# Altium PCB RHR075_GFC_ECAT_DNET_RS485_ALL_rev5.PcbDoc (part 4 of 4) (continued)
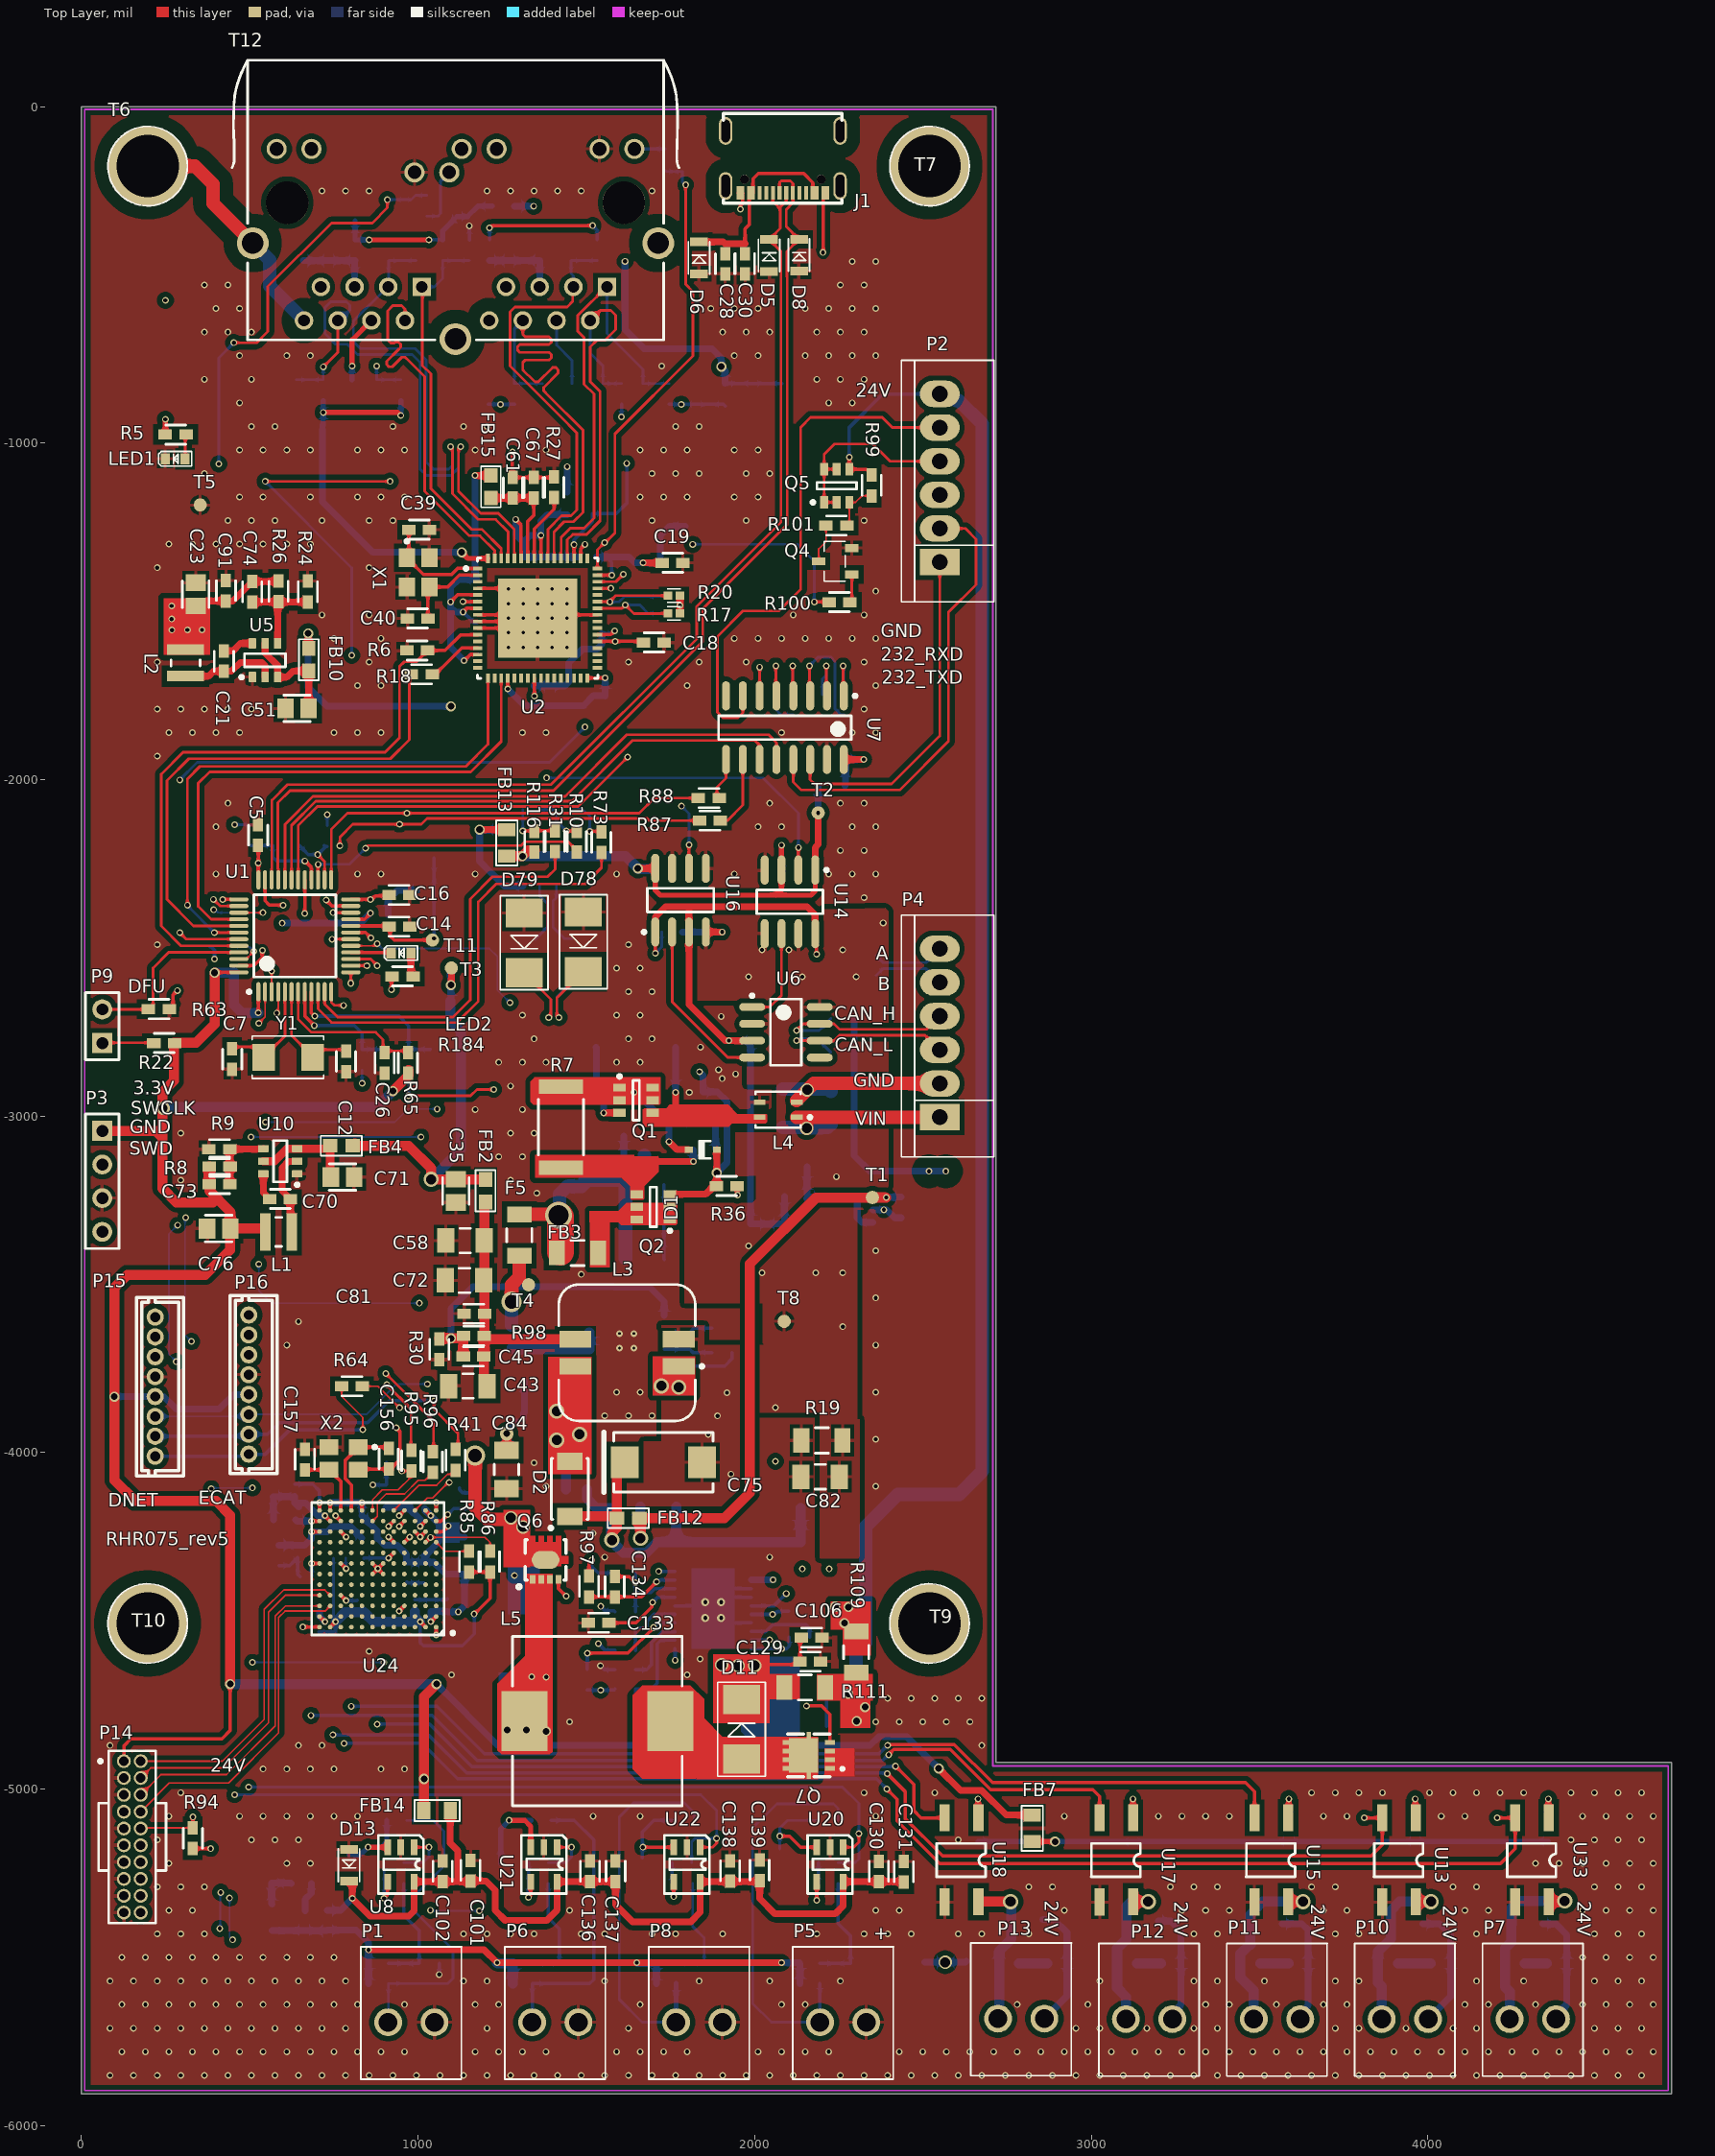
[diagram p0: Top Layer view]
## Nets (pads, with @x,y where several pads share a name; then routed paths per layer and width w, separated by ;. In a path a pad name is that pad's centre, name@x,y a point inside that pad or via, vN(x,y) a via of type N, cw(c..) or ccw(c..) an arc to the next point about the centre after c; other vN are vias at no path point) (continued)
  Top Layer w10: U2.50@1483.43,-1342.91 1483.43,-1313.57 v1(1496,-1301)
  Mid-Layer 1 w8: v1(292,-2455) v1(292,-2001) ; v1(1496,-1844) 1496,-1543 v1(1496,-1301)
  Bottom Layer w8: v1(292,-2001) 344,-1949 1391,-1949 v1(1496,-1844)
SPI_MISO: R18.1 U1.41 | length 1564.2
  Top Layer w8: U1.41@467.66,-2434.98 333,-2434.98 254,-2355.98 254,-2003 319,-1938 918,-1938 974.48,-1881.52 R18.1@974.48,-1687.47
SPI_MOSI: U1.42 U2.17 | length 1695.2
  Top Layer w8: v1(315,-2373) 315,-1998 352,-1961 1142,-1961 1207.84,-1895.16 U2.17@1207.84,-1698.03 ; v1(394.67,-2454.67) U1.42@467.66,-2454.67
  Bottom Layer w8: v1(315,-2373) 315,-2375 v1(394.67,-2454.67)
SPI_SCK: U1.40 U2.19 | length 1656.9
  Top Layer w8: 347,-2362 347,-2348 ; U1.40@467.66,-2415.3 385.3,-2415.3 347,-2377 347,-2348 ; U2.19@1247.21,-1698.03 1247.21,-1886.79 1157,-1977 381,-1977 347,-2011 347,-2348
SWCLK: P3.2 U1.38 | length 1148
  Top Layer w8: v1(392,-2356) 411.93,-2375.93 U1.38@467.66,-2375.93
  Mid-Layer 1 w8: P3.2@62,-3144 300,-3144 348,-3096 348,-2400 v1(392,-2356)
SWD: P3.4 U1.37 | length 1374.4
  Top Layer w8: v1(419.24,-2356.24) U1.37@467.66,-2356.24
  Mid-Layer 1 w8: P3.4@62,-3344 367.24,-3344 433,-3278.24 433,-2419 419.24,-2405.24 v1(419.24,-2356.24)
T_ADC_1: R1.2 R192.1 U8.1 | length 2801.2
  Top Layer w8: U8.1@988.37,-5172.82 v1(1032.82,-5172.82)
  Mid-Layer 1 w8: v1(834,-2903) 834,-3541 834,-3613 587,-3860 587,-3861 587,-4580 701,-4694 701,-4696 787,-4696 834,-4743 834,-4974 v1(1032.82,-5172.82)
  Bottom Layer w8: v1(834,-2903) R1.2@834,-2863.5 ; R192.1@958.22,-5218.33 1015.67,-5218.33 1032.82,-5201.18 v1(1032.82,-5172.82)
T_ADC_2: R2.2 R49.1 U21.1 | length 2995.2
  Top Layer w8: v1(972,-2940) 1156,-2940 1175,-2921 v1(1225,-2921) ; U21.1@1413.37,-5172.82 v1(1455.82,-5172.82)
  Mid-Layer 1 w8: v1(1225,-2921) 1225,-3009 1164,-3070 1164,-3831 1215,-3882 1215,-5124.5 1263.32,-5172.82 v1(1455.82,-5172.82)
  Bottom Layer w8: v1(972,-2940) R2.2@972,-2863.5 ; R49.1@1387.2,-5218.33 1439.67,-5218.33 1455.82,-5202.18 v1(1455.82,-5172.82)
T_ADC_3: R3.2 R51.1 U22.1 | length 4733.3
  Top Layer w8: U22.1@1838.37,-5172.82 1875.36,-5172.82 1887.18,-5161 v1(1887.18,-5146.82)
  Mid-Layer 1 w8: v1(455.02,-5017) 455.02,-4857.02 405,-4807 405,-3372 477,-3300 477,-2222.98 455.02,-2201 v1(455.02,-2134.02)
  Bottom Layer w8: v1(455.02,-5017) 1840,-5017 1887.18,-5064.18 v1(1887.18,-5146.82) 1886.72,-5146.36 1823,-5146.36 1813.22,-5156.14 R51.1@1813.22,-5218.33 ; v1(455.02,-2134.02) R3.2@503,-2134.02
T_ADC_4: R4.2 R34.1 U20.1 | length 5277.8
  Top Layer w8: U20.1@2263.37,-5172.82 2294.18,-5172.82 2309.56,-5157.44 v1(2309.56,-5132.44)
  Mid-Layer 1 w8: v1(497,-4994) 468.02,-4965.02 468.02,-4618.02 421,-4571 421,-3540 469,-3492 562,-3492 628,-3426 628,-2206 v1(730,-2104)
  Bottom Layer w8: v1@497.23,-4993.77 2260.77,-4993.77 2309.56,-5042.56 v1(2309.56,-5132.44) 2309.56,-5207.44 2298.67,-5218.33 R34.1@2248.22,-5218.33 ; R4.2@730,-2137.02 v1(730,-2104)
UART_APP_RXD: R93.1 R95.1 U24.M7 | length 247.7
  Top Layer w5: U24.M7@864.99,-4172.03 864.99,-4140.01 894,-4111 941,-4111 979,-4073 979,-4057 977.03,-4055.03 v1(952.03,-4055.03)
  Bottom Layer w5: R93.1@942.03,-4029 942.03,-4045.03 v1(952.03,-4055.03)
UART_APP_TXD: R96.1 U24.L7 | length 265.4
  Top Layer w5: U24.L7@864.99,-4203.53 879.38,-4189.14 879.38,-4148.62 905,-4123 960,-4123 1001,-4082 1021,-4082 R96.1@1046,-4057
UART_RXD: R90.1 U24.G10 | length 54
  Top Layer w10: U24.G10@770.5,-4329.51 v4(786.25,-4345.26)
  Bottom Layer w8: R90.1@785.03,-4314 785.03,-4344.04 v4(786.25,-4345.26)
UART_RXD1: U1.32 U7.12 | length 1795.6
  Top Layer w8: U1.32@604.47,-2298.17 604.47,-2133.53 688,-2050 1437,-2050 1620,-1867 2042,-1867 2065,-1890 U7.12@2065,-1940.49
UART_RXD2: R88.2 R96.2 U1.25 | length 3268
  Top Layer w8: U1.25@742.27,-2298.17 742.27,-2148 790.27,-2100 v1(967,-2100) 1657,-2100 1702,-2055 R88.2@1828.94,-2055 ; v1(904,-3765) 1046,-3907 R96.2@1046,-3997.94
  Mid-Layer 1 w8: v1(904,-3765) 891,-3752 891,-2737 967,-2661 v1@967,-2101
UART_TXD: U24.G11
UART_TXD1: U1.31 U7.11 | length 1705.6
  Top Layer w8: U1.31@624.16,-2298.17 624.16,-2136.23 696.38,-2064 1457,-2064 1637,-1884 1746,-1884 2001,-1884 2015,-1898 U7.11@2015,-1940.49
UART_TXD2: R87.2 R95.2 U1.22 | length 3309.9
  Top Layer w8: v1(747.39,-2395.61) U1.22@800.34,-2395.61 ; v1(768,-2197) 768,-2171 806,-2133 v1(945,-2133) 1010,-2133 1027,-2116 1681,-2116 1687,-2122 R87.2@1831.94,-2122 ; v1(907.58,-3798.58) 979,-3870 R95.2@979,-3997.94
  Mid-Layer 1 w8: v1(747.39,-2395.61) 768,-2375 v1(768,-2197) ; v1(907.58,-3798.58) 878,-3769 878,-2721 945,-2654 v1(945,-2133)
USB_N: D8.2 J1.A7 J1.B7 U1.33 | length 3269.2
  Top Layer w8: U1.33@584.79,-2298.17 584.79,-2265.51 583.94,-2264.67 583.94,-2069.06 620,-2033 1402.46,-2033 1846,-1589.46 1846,-1493 2096.57,-1242.43 2096.57,-505.67 2096.43,-505.52 2096.43,-430.09 D8.2@2132,-394.51 2094,-356.51 2094,-306 2113.53,-286.47 J1.B7@2113.53,-257 2113.53,-228.53 2106,-221 2079,-221 2074.16,-225.84 J1.A7@2074.16,-257
USB_P: D5.2 J1.A6 J1.B6 U1.34 | length 3218.1
  Top Layer w8: U1.34@565.1,-2298.17 565.1,-2265.51 565.94,-2264.67 565.94,-2061.6 612.54,-2015 1395,-2015 1828,-1582 1828,-1485.54 2078.57,-1234.97 2078.57,-431.09 D5.2@2043,-395.51 2076,-362.51 2076,-304 ; J1.B6@2054.47,-257 2054.47,-282.47 2076,-304 ; J1.A6@2093.84,-257 2093.84,-280.7 2076,-298.54 2076,-304
V_POWER: F5.2 FB11.1 T4.1 | length 211.1
  Top Layer w40: v9(1278,-3552) 1278,-3502 1301,-3479 F5.2@1301,-3419.95
  Bottom Layer w40: FB11.1@1278,-3621.51 v9(1278,-3552)
V_Power_F: C27.1 C60.1 C62.1 C80.1 C83.1 C84.1 C85.1 D9.2 F5.1 FB3.2 Q6.5 R25.1 R28.2 R33.1 R109.2 U9.1 | length 4810.8
  Top Layer w20: C84.1@1264,-3987.05 v10(1264,-3944)
  Top Layer w40: v9(1170,-4009) 1170,-4161 1207,-4198 v6@1276,-4198 ; F5.1@1301,-3292 1416,-3292 v11(1418.05,-3294.05)
  Top Layer w80: v11(1418.05,-3294.05) 1423,-3299 FB3.2@1423,-3405
  Mid-Layer 1 w10: 1256,-4208 1256,-4668 1293.98,-4705.98 v1(1542.3,-4705.98) 1631.17,-4617.12 v1(1763.88,-4617.12)
  Mid-Layer 1 w80: v11(1418.05,-3294.05) 1418.05,-3614.95 1264,-3769 v10(1264,-3944) 1264,-4182 v6(1276,-4194) 1303,-4221 v6(1312,-4221) 1461.73,-4221 1497.73,-4185 2242.14,-4185 2289,-4231.86 2289,-4457 2278.5,-4467.5 2278.5,-4459.5 v2(2279,-4459)
  Bottom Layer w10: R25.1@1503,-4705.98 v1(1542.3,-4705.98) 1581.6,-4705.98 R33.1@1585.02,-4702.57 ; v1(1763.88,-4617.12) U9.1@1763.88,-4583.16
  Bottom Layer w20: C83.1@1264,-3987.05 v10(1264,-3944) 1264,-3932.95 1288.52,-3908.43 1304.27,-3908.43 1313.95,-3898.75 1313.95,-3883 1315.98,-3880.97 C85.1@1315.98,-3788
  Bottom Layer w40: v11(1418.05,-3294.05) 1420,-3292.09 1420,-3232.5 1443.43,-3209.06 1485.49,-3209.06 1496,-3198.55 D9.2@1496,-3190.54 1610.82,-3190.54 C27.1@1616.41,-3196.13 ; C62.1@1616.41,-3423.51 C60.1@1616.41,-3311.51 C27.1@1616.41,-3203.51 C27.1@1616.41,-3196.13 ; R28.2@1672.98,-3116.51 1672.98,-3146.94 1632.83,-3187.09 1622,-3187.09 1616.41,-3192.69 C27.1@1616.41,-3196.13
  other v2: 2267,-4507 2240,-4458
VCC_VREF: C14.2 C38.2 T11.1 U1.20 U4.6 | length 516.8
  Top Layer w10: U1.20@800.34,-2434.98 916.42,-2434.98 916.94,-2435.51 916.94,-2464.94 929,-2477 T11.1@1043,-2477
  Bottom Layer w10: v1(1047.57,-2472.43) U4.6@1047.57,-2330.11 1047.74,-2329.94 C38.2@1047.74,-2233
VDD12TX: C1.1 C4.1 C6.1 C34.1 FB1.2 U2.56 U2.59 | length 664
  Top Layer w10: v1(1290,-1227) 1306.27,-1243.27 U2.59@1306.27,-1342.91 ; U2.56@1365.32,-1342.91 v1(1365.32,-1274.32)
  Bottom Layer w20: v1(1290,-1227) 1290,-1272 1313.1,-1295.1 C6.1@1313.1,-1338.57 C34.1@1367.35,-1338.57 C4.1@1421.6,-1338.57 C1.1@1475.85,-1338.57 ; 1313.1,-1294.9 1333.68,-1274.32 v1(1365.32,-1274.32) 1365.32,-1231.68 1384.07,-1212.93 FB1.2@1443,-1212.93
VDD33BIAS: C61.2 C67.1 FB15.2 U2.58 | length 313.7
  Top Layer w10: U2.58@1325.95,-1342.91 1325.95,-1233.05 1343.48,-1215.52 C67.1@1343.48,-1163.47
  Top Layer w20: FB15.2@1216.48,-1163.41 1343.42,-1163.41 C67.1@1343.48,-1163.47
VDD33TXRX1: C108.1 C109.1 C110.1 FB16.2 R67.2 R68.2 R69.2 R70.2 R71.1 U2.51 | length 2545.2
  Top Layer w10: v1@1219,-354 v1(1519,-354) ; U2.51@1463.75,-1342.91 v1(1463.75,-1302.25)
  Mid-Layer 1 w10: v1(1212.46,-360.54) 1115,-458 1115,-555 1026,-644 1026,-810 1100.98,-884.98 v1(1245,-884.98) 1282.02,-922 v1(1604.46,-922) ; v1(1620,-1060) 1620,-992 1604.46,-976.46 v1(1604.46,-922) ; v1(1782,-884.98) 1744.98,-922 v1(1604.46,-922)
  Bottom Layer w10: C110.1@1208.46,-884.98 v1(1245,-884.98) R67.2@1286.46,-884.98 ; R71.1@1212.46,-396.02 v1(1212.46,-360.54) ; v1(1463.75,-1302.25) 1463.75,-1287.25 1518,-1233 C108.1@1518,-1209.98 1589.02,-1209.98 1620,-1179 v1(1620,-1060) ; v1(1519,-354) 1532.46,-367.46 R68.2@1532.46,-396.02 ; v1(1604.46,-922) R69.2@1604.46,-884.98 ; R70.2@1745.46,-884.98 v1(1782,-884.98) C109.1@1826.46,-884.98 1907.48,-884.98 FB16.2@1912.46,-889.96
VDD33TXRX2: C121.1 C122.1 C123.1 FB17.2 R76.2 R77.2 R78.2 R79.2 R80.1 U2.64 | length 2561.3
  Top Layer w15: v1(718.46,-909) 940,-909 v1(949,-918) ; v1(854.98,-396.02) v1(1032,-396.02) ; v2(1130,-1325) 1147.91,-1342.91 U2.64@1207.84,-1342.91
  Mid-Layer 1 w15: v1(718.46,-909) 606,-909 563,-866 563,-526 692.98,-396.02 v1(854.98,-396.02)
  Bottom Layer w8: R77.2@994.46,-396.02 v1(1032,-396.02) R79.2@1073.46,-396.02
  Bottom Layer w15: 715.98,-960 C123.1@715.98,-943 ; R76.2@718.46,-873.98 v1(718.46,-909) 718.46,-946.44 C123.1@719.02,-947 ; C122.1@812.98,-340 812.98,-395.54 R80.1@813.46,-396.02 v1(854.98,-396.02) ; v1(949,-918) R78.2@949,-873.98 ; R79.2@1073.46,-396.02 1073.46,-369.53 C121.1@1116,-326.98 1147.02,-326.98 1178,-296 FB17.2@1220.07,-296
  Bottom Layer w20: 715.98,-960 715.98,-1174.98 866,-1325 v2(1130,-1325)
VIN: C31.1 C59.1 L4.1 P4.1 | length 604.6
  Top Layer w40: L4.1@2125.12,-3003.64 2155,-3003.64 ; v6(2155,-3036) 2155,-3003.64 ; P4.1@2551,-3003.64 2155,-3003.64
  Bottom Layer w40: C31.1@2084,-3034.09 2217.46,-3034.09 C59.1@2226.55,-3025
VIN_RTN: C24.1 C31.2 L4.2 P2.3 P4.2 | length 2519
  Top Layer w40: L4.2@2125.12,-2953.64 2175.76,-2903 2372,-2903 2396,-2903 P4.2@2550,-2903
  Mid-Layer 1 w40: P4.2@2550,-2903 2620,-2903 2661,-2862 2661,-1187 2628,-1154 P2.3@2550,-1154
  Bottom Layer w40: C31.2@2084,-2919.91 2219.46,-2919.91 C24.1@2226.55,-2927
  other v6: 2156.39,-2922.36
VUSB: C28.2 C30.2 D6.2 J1.A4 J1.A9 J1.B4 J1.B9 | length 555.5
  Top Layer w10: 1971.46,-407.94 1971.46,-363.54 1983.61,-351.39 J1.B4@1983.61,-257 ; J1.A9@1995.42,-257 1995.42,-214.58 2011,-199 2146,-199 2172.58,-225.58 J1.A4@2172.58,-257
  Top Layer w20: D6.2@1835,-402.51 1907.02,-402.51 ; 1912.46,-407.94 1971.46,-407.94
XM0_IO0: R92.1 U24.H5 | length 95.7
  Top Layer w10: v4(912.24,-4313.76) U24.H5@927.98,-4298.02
  Bottom Layer w10: R92.1@839,-4314.28 839.51,-4313.76 891,-4313.76 v4(912.24,-4313.76)
XTAL_IN: C39.1 U2.1 X1.1 | length 324.6
  Top Layer w10: C39.1@972.98,-1257.47 972.98,-1335.19 X1.1@967.01,-1341.16 1016.07,-1390.22 1099.78,-1390.22 1117.17,-1372.83 U2.1@1177.92,-1372.83
XTAL_IN_D: C156.1 U24.M9 X2.1 | length 306.4
  Top Layer w10: U24.M9@802,-4172.03 802,-4096.08 784.49,-4078.57 784.49,-4022.96 X2.1@822.05,-3985.4 ; X2.1@823.92,-3987.28 X2.1@822.05,-3985.4 ; C156.1@913,-3988.02 908.78,-3983.8 X2.1@822.05,-3983.8 X2.1@822.05,-3985.4
XTAL_OUT: C40.1 U2.2 X1.3 | length 254.1
  Top Layer w10: C40.1@1029.46,-1521.47 1029.46,-1432.26 X1.3@1033.94,-1427.78 1088.22,-1427.78 1123.48,-1392.52 U2.2@1177.92,-1392.52
XTAL_OUT_D: C157.1 U24.M10 X2.3 | length 207.7
  Top Layer w10: C157.1@663.74,-4051.24 734.91,-4051.24 X2.3@735.43,-4050.72 770.5,-4085.8 U24.M10@770.5,-4172.03
pads on no net: C1.0 C2.0 C3.0 C4.0 C5.0 C6.0 C7.0 C8.0 C9.0 C10.0 C11.0 C12.0 C13.0 C14.0 C15.0 C16.0 C17.0 C18.0 C19.0 C20.0 C21.0 C22.0 C23.0 C24.0 C25.0 C26.0 C27.0 C28.0 C29.0 C30.0 C31.0 C32.0 C33.0 C34.0 C35.0 C36.0 C37.0 C38.0 C39.0 C40.0 C41.0 C42.0 C43.0 C44.0 C45.0 C46.0 C47.0 C48.0 C49.0 C50.0 C51.0 C52.0 C53.0 C54.0 C55.0 C56.0 C57.0 C58.0 C59.0 C60.0 C61.0 C62.0 C63.0 C64.0 C65.0 C66.0 C67.0 C68.0 C69.0 C70.0 C71.0 C72.0 C73.0 C74.0 C76.0 C77.0 C78.0 C80.0 C81.0 C82.0 C83.0 C84.0 C85.0 C86.0 C87.0 C88.0 C89.0 C90.0 C91.0 C92.0 C93.0 C94.0 C95.0 C96.0 C97.0 C98.0 C99.0 C100.0 C101.0 C102.0 C103.0 C104.0 C105.0 C106.0 C107.0 C108.0 C109.0 C110.0 C111.0 C112.0 C113.0 C114.0 C115.0 C116.0 C117.0 C118.0 C119.0 C120.0 C121.0 C122.0 C123.0 C124.0 C125.0 C126.0 C127.0 C128.0 C129.0 C130.0 C131.0 C132.0 C133.0 C134.0 C135.0 C136.0 C137.0 C138.0 C139.0 C140.0 C144.0 C145.0 C146.0 C147.0 C148.0 C149.0 C150.0 C151.0 C152.0 C153.0 C154.0 C155.0 C156.0 C157.0 C158.0 C159.0 C160.0 C161.0 C162.0 C163.0 F5.0 F7.0 F8.0 FB3.0 J1.2 J1.A5 J1.A8 J1.B5 J1.B8 P14.7 P14.12 P14.14 P14.16 P14.18 P14.20 P16.1 Q9.0 R1.0 R2.0 R3.0 R4.0 R5.0 R6.0 R7.0 R8.0 R9.0 R10.0 R11.0 R12.0 R13.0 R14.0 R15.0 R16.0 R17.0 R18.0 R19.0 R20.0 R21.0 R22.0 R23.0 R24.0 R25.0 R26.0 R27.0 R28.0 R29.0 R30.0 R31.0 R32.0 R33.0 R34.0 R35.0 R36.0 R37.0 R38.0 R39.0 R40.0 R41.0 R42.0 R43.0 R44.0 R45.0 R46.0 R47.0 R48.0 R49.0 R50.0 R51.0 R52.0 R53.0 R54.0 R55.0 R56.0 R57.0 R58.0 R59.0 R60.0 R61.0 R62.0 R63.0 R64.0 R65.0 R66.0 R67.0 R68.0 R69.0 R70.0 R71.0 R72.0 R73.0 R74.0 R75.0 R76.0 R77.0 R78.0 R79.0 R80.0 R81.0 R82.0 R83.0 R84.0 R85.0 R86.0 R87.0 R88.0 R89.0 R90.0 R91.0 R92.0 R93.0 R94.0 R95.0 R96.0 R97.0 R98.0 R99.0 R100.0 R101.0 R102.0 R103.0 R104.0 R105.0 R106.0 R107.0 R108.0 R109.0 R110.0 R111.0 R116.0 R141.0 R142.0 R184.0 R192.0 R193.0 T12.A7 T12.A11 T12.A12 T12.B7 T12.B11 T12.B12 T12.MH1 T12.MH2 U2.3 U2.12 U2.15 U2.16 U2.18 U2.21 U2.22 U2.23 U2.25 U2.26 U2.27 U2.28 U2.29 U2.30 U2.31 U2.33 U2.34 U2.35 U2.36 U2.39 U2.40 U2.49 U4.1 U4.3 U4.7 U4.8 U6.5 U9.11 U11.4 U12.4 U24.A3 U24.A4 U24.A5 U24.A6 U24.A7 U24.A8 U24.A9 U24.A10 U24.B2 U24.B3 U24.B4 U24.B5 U24.B6 U24.B7 U24.B8 U24.B9 U24.B10 U24.B11 U24.C1 U24.C2 U24.C3 U24.C5 U24.C6 U24.C7 U24.C8 U24.C9 U24.C10 U24.D1 U24.D2 U24.D3 U24.D4 U24.D5 U24.D6 U24.D7 U24.D8 U24.D9 U24.E1 U24.E2 U24.E3 U24.E4 U24.E5 U24.E6 U24.E7 U24.E8 U24.E9 U24.E10 U24.E11 U24.E12 U24.F1 U24.F2 U24.F3 U24.F4 U24.F5 U24.F8 U24.F9 U24.F10 U24.F11 U24.F12 U24.G1 U24.G2 U24.G3 U24.G4 U24.G5 U24.G8 U24.G9 U24.H1 U24.H2 U24.H3 U24.H4 U24.H6 U24.H7 U24.H8 U24.H9 U24.H10 U24.H11 U24.H12 U24.J6 U24.J7 U24.J8 U24.J9 U24.J10 U24.J11 U24.J12 U24.K4 U24.K5 U24.K6 U24.K7 U24.K8 U24.K9 U24.K11 U24.L8 U24.L9

## Polygon pours and split planes (outlines as drawn)
AGND on Mid-Layer 1 "AGND_L03_P007" (solid, remove dead copper, pour order 7): -379,238 -280,337 5755,337 5755,-5585 5212,-6128 -272,-6128 -272,202 -335,265
ISO_PGND on Mid-Layer 1 "L1_TOP-No Net" (solid, remove dead copper, pour order 5): 2441,-2391 1832,-2391 1821,-2402 1824,-2405 1824,-2627 1824,-2644 1847,-2667 1975,-2667 1975,-2940 2114,-2940 2114,-3059 1975,-3059 1975,-3189 2036,-3189 2036,-3257 2025,-3268 1824,-3268 1824,-3566 2056,-3566 2056,-3685 2061,-3690 1882.5,-3690 1882.5,-3632 1755,-3632 1755,-3977 1512,-3977 1512,-4154 1528,-4170 1996,-4170 1996,-4062 2018,-4040 2207,-4040 2207,-4326 2292,-4326 2292,-3921 2282,-3911 2196,-3911 2196,-3295 2203,-3288 2430,-3288 2430,-2401 2415,-2386 2413,-2384 1863,-2384 1846,-2384 1824,-2406
AGND on Bottom Layer "AGND_L04_P008" (solid, remove dead copper, pour order 8): -367.15,236.13 -268.15,335.13 5766.85,335.13 5766.85,-5586.87 5223.85,-6129.87 -260.15,-6129.87 -260.15,200.13 -323.15,263.13
ISO_PGND on Bottom Layer "L1_TOP-No Net" (solid, remove dead copper, pour order 3): 1824,-2406 1819,-2387 1826.5,-2396 1815,-2418 1815,-2657 1943,-2657 1943,-2930 2082,-2930 2082,-3049 1943,-3049 1943,-3179 2004,-3179 2004,-3247 1993,-3258 1792,-3258 1792,-3556 2024,-3556 2024,-3675 2029,-3680 1850.5,-3680 1850.5,-3622 1723,-3622 1723,-3967 1480,-3967 1480,-4144 1496,-4160 1964,-4160 1964,-4052 1986,-4030 2191,-4030 2194,-4033 2194,-4297 2175,-4316 2175,-4380 2302,-4380 2302,-3953 2250,-3901 2164,-3901 2164,-3285 2171,-3278 2398,-3278 2398,-2391 2383,-2376 2381,-2374 1831,-2374 1836,-2423 1792,-2396
AGND on Top Layer "AGND_L01_P006" (solid, remove dead copper, pour order 6): -379,229 -280,328 5755,328 5755,-5594 5212,-6137 -272,-6137 -272,193 -335,256
ISO_PGND on Top Layer "L1_TOP-No Net" (solid, remove dead copper, pour order 1): 2409,-2381 1800,-2381 1789,-2392 1792,-2395 1792,-2617 1792,-2634 1815,-2657 1977,-2657 1977,-2906 2065,-2906 2065,-3049 1943,-3049 1943,-3179 2004,-3179 2004,-3247 1993,-3258 1792,-3258 1792,-3556 2024,-3556 2024,-3675 2029,-3680 1850.5,-3680 1850.5,-3622 1723,-3622 1723,-3967 1480,-3967 1480,-4144 1496,-4160 1964,-4160 1964,-3882 2194,-3882 2194,-4297 2194,-4314 2312,-4314 2312,-3901 2305,-3901 2305,-3278 2398,-3278 2398,-2391 2383,-2376 2381,-2374 1831,-2374 1814,-2374 1792,-2396
AGND on GND (split plane): 232 vertices, not listed, extent 20.1,-5885.41 4704.31,-171.1
EARTH on GND (split plane): 2696.44,-4647.9 2371.1,-4647.9 2371.1,-4379 2371.1,-4324.1 2409,-4324.1 2412.92,-4323.71 2416.69,-4322.57 2420.17,-4320.71 2423.21,-4318.21 2425.71,-4315.17 2427.57,-4311.69 2428.71,-4307.92 2429.1,-4304 2429.1,-3074 2632,-3074 2632,-2409 2429.1,-2409 2429.1,-1441 2642,-1441 2642,-748 2429.1,-748 2429.1,-366 2428.71,-362.08 2427.57,-358.31 2425.71,-354.83 2423.21,-351.79 2420.17,-349.29 2416.69,-347.43 2412.92,-346.29 2409,-345.9 2003,-345.9 2003,-274 1912,-274 1912,-345.9 1780.1,-345.9 1780.1,-266 1829,-266 1829,-186 1780.1,-186 1780.1,-151 1779.71,-147.08 1778.57,-143.31 1776.71,-139.83 1774.21,-136.79 1771.17,-134.29 1767.69,-132.43 1763.92,-131.29 1760,-130.9 1701,-130.9 1701,-64 1488,-64 1488,-130.9 1311,-130.9 1311,-70 1042,-70 1042,-130.9 755,-130.9 755,-62 493,-62 493,-130.9 453,-130.9 449.08,-131.29 445.31,-132.43 441.83,-134.29 438.79,-136.79 436.29,-139.83 434.43,-143.31 433.29,-147.08 432.9,-151 432.9,-282 432.9,-348.9 308,-348.9 304.08,-349.29 300.31,-350.43 296.83,-352.29 293.79,-354.79 291.29,-357.83 289.43,-361.31 288.29,-365.08 287.9,-369 287.9,-527 188,-527 188,-638 287.9,-638 287.9,-871 186,-871 186,-990 287.9,-990 287.9,-1084 287.9,-1204.65 188,-1204.65 184.08,-1205.04 180.31,-1206.18 176.83,-1208.04 173.79,-1210.54 171.29,-1213.58 169.43,-1217.06 168.29,-1220.83 167.9,-1224.75 167.9,-2529 167.9,-2570.25 168.29,-2574.17 169.43,-2577.94 171.29,-2581.42 173.79,-2584.46 176.83,-2586.96 180.31,-2588.82 184.08,-2589.96 188,-2590.35 222.9,-2590.35 222.9,-2929 189,-2929 189,-3013 222.9,-3013 222.9,-3914 222.9,-4067 223.29,-4070.92 224.43,-4074.69 226.29,-4078.17 228.79,-4081.21 231.83,-4083.71 235.31,-4085.57 239.08,-4086.71 243,-4087.1 375.9,-4087.1 375.9,-4767.9 20.1,-4767.9 20.1,-3400 148,-3400 148,-2977 20.1,-2977 20.1,-2843 139,-2843 139,-2605 20.1,-2605 20.1,-20.1 2696.44,-20.1
ISO_PGND on GND (split plane): 2388.9,-3301.91 2164,-3301.91 2161.39,-3302.26 2158.96,-3303.27 2156.87,-3304.87 2155.26,-3306.96 2154.26,-3309.39 2153.91,-3312 2153.91,-3901 2154.26,-3903.61 2155.26,-3906.04 2156.87,-3908.13 2158.96,-3909.74 2161.39,-3910.74 2164,-3911.09 2249.91,-3911.09 2249.91,-3973 2249.91,-4375.91 2117.09,-4375.91 2117.09,-4310.09 2194,-4310.09 2196.61,-4309.74 2199.04,-4308.74 2201.13,-4307.13 2202.74,-4305.04 2203.74,-4302.61 2204.09,-4300 2204.09,-4033 2203.74,-4030.39 2202.74,-4027.96 2201.13,-4025.87 2199.04,-4024.27 2196.61,-4023.26 2194,-4022.91 1978,-4022.91 1975.39,-4023.26 1972.96,-4024.27 1970.87,-4025.87 1969.26,-4027.96 1968.26,-4030.39 1967.91,-4033 1967.91,-4149.91 1480.09,-4149.91 1480.09,-3977.09 1723,-3977.09 1725.61,-3976.74 1728.04,-3975.74 1730.13,-3974.13 1731.74,-3972.04 1732.74,-3969.61 1733.09,-3967 1733.09,-3632.09 1840.41,-3632.09 1840.41,-3680 1840.76,-3682.61 1841.76,-3685.04 1843.37,-3687.13 1845.46,-3688.74 1847.89,-3689.74 1850.5,-3690.09 2029,-3690.09 2031.61,-3689.74 2034.04,-3688.74 2036.13,-3687.13 2037.74,-3685.04 2038.74,-3682.61 2039.09,-3680 2039.09,-3561 2038.74,-3558.39 2037.74,-3555.96 2036.13,-3553.87 2031.13,-3548.87 2029.04,-3547.27 2026.61,-3546.26 2024,-3545.91 1802.09,-3545.91 1802.09,-3268.09 2011,-3268.09 2013.61,-3267.74 2016.04,-3266.74 2018.13,-3265.13 2019.74,-3263.04 2020.74,-3260.61 2021.09,-3258 2021.09,-3186 2020.74,-3183.39 2019.74,-3180.96 2018.13,-3178.87 2011.13,-3171.87 2009.04,-3170.27 2006.61,-3169.26 2004,-3168.91 1953.09,-3168.91 1953.09,-3129 1953.09,-3059.09 2082,-3059.09 2084.61,-3058.74 2087.04,-3057.74 2089.13,-3056.13 2090.74,-3054.04 2091.74,-3051.61 2092.09,-3049 2092.09,-2894 2092.09,-2853 2092.09,-2657 2091.74,-2654.39 2090.74,-2651.96 2089.13,-2649.87 2087.04,-2648.27 2084.61,-2647.26 2082,-2646.91 1802.09,-2646.91 1802.09,-2386.09 2388.9,-2386.09

## Keep-outs
Keep-Out Layer:
  lines w5: 10,-5896 4714,-5896 4714,-4931 2708,-4931 2708,-3047 2708,-8.54 10,-8.54 10,-5896

## Other copper
Top Layer:
  rectangle net AGND: 2207,-4963 2297,-4879
  rectangle net V_Power_F: 2226,-4527 2345,-4442
  rectangle net V_Power_F: 2262,-4604 2345,-4470
  rectangle net 24V_F: 2255,-4819 2344,-4660
  rectangle net 24V_F: 2184,-4738 2351,-4658
  rectangle net 24V_O: 1951,-4732.5 2134,-4657.25
  rectangle net 24V_O: 1877,-4804.7 2045.5,-4598.95
  rectangle net V_Power_F: 1254,-4341 1333,-4170
  rectangle net NetFB3_1: 1510,-3450.31 1569.56,-3298.5
  rectangle net NetQ2_4: 1347,-3184 1643,-3115.68
  rectangle net ECAT_3.3V: 244,-1630 383,-1461
  rectangle net NetC44_1: 1386,-4064 1516,-3715
  rectangle net NetC25_2: 1697,-3831 1823.76,-3714
  region net NetD11_1: 1667,-4692 1809,-4692 1850,-4733 1850,-4790 1905,-4845 2188.57,-4845 2188.57,-4970 1828,-4970 1826,-4968 1825,-4969 1667,-4969 1638,-4940 1638,-4721
  region net NetC86_2: 1318.97,-4360 1399,-4360 1399,-4889 1391,-4897 1248,-4897 1236,-4885 1236,-4687 1318.97,-4604.03 1318.97,-4376.31
  region net NetD1_2: 1346,-2885 1721,-2885 1721,-2963 1718,-2966 1342,-2966 1334,-2958 1334,-2897 1345,-2886
  region net NetC79_1: 1737,-2977 1748,-2966 1921,-2966 1949,-2994 2035,-2994 2037,-2996 2037,-3017 2033,-3021 1933,-3021 1923,-3031 1671.56,-3031 1668,-3027.44 1668,-2981 1672,-2977
  region net NetQ2_4: 1600,-3120 1600,-3179 1630,-3209 1630,-3244 1634,-3248 1669,-3248 1672,-3245 1672,-3209 1715,-3166 1715,-3122 1712,-3119 1711,-3120
  region net NetFB3_1: 1510,-3282 1595,-3282 1619,-3258 1770,-3258 1771,-3259 1771,-3319 1766,-3324 1604,-3324 1595,-3315 1510,-3315
Mid-Layer 1:
  rectangle net V_Power_F: 2213,-4534 2344,-4401
  rectangle net 24V_F: 2232.12,-4819 2345,-4692
  rectangle net 24V_O: 1863,-4704 2115,-4598
  rectangle net ECAT_3.3V: 254,-1573 379,-1465
Bottom Layer:
  rectangle net 24V_F: 2267,-4817 2342,-4717
  rectangle net AGND: 1812,-4583.16 1940.31,-4344.35
  rectangle net NetD12_1: 1266,-4481 1362,-4292
  rectangle net NetC86_2: 1239,-4844 1397,-4653
  rectangle net NetC25_2: 1698,-3831 1801,-3730
  rectangle net NetL7_1: 1077.59,-4269 1124,-4207
  region net 24V_O: 1978,-4607 2112,-4607 2134,-4629 2134,-4836 2122,-4848 1978,-4848 1960,-4830 1960,-4626 1978,-4608
GND (plane layer: these items are gaps in the copper):
  rectangle: 1831,-4479 1921,-4456
  rectangle: 1604,-3679 1633,-3652
  rectangle: 1217,-1656 1494,-1386
  rectangle: 186,-990 308,-871
  rectangle: 188,-638 308,-527
  rectangle: 2409,-3074 2632,-2409
  rectangle: 2409,-1441 2642,-748
  rectangle: 1912,-366 2003,-274
  rectangle: 1760,-266 1829,-186
  rectangle: 1488,-151 1701,-64
  rectangle: 1042,-151 1311,-70
  rectangle: 493,-163 755,-62
  rectangle: 0,-2843 139,-2605
  rectangle: 0,-3400 148,-2977
  rectangle: 189,-3013 290,-2929
  rectangle: 64,-5402 159,-5036
  lines w20: 1792,-2656.25 1792,-2376 2409,-2376 ; 1792,-2655 1794,-2657 2082,-2657 2082,-2853 2082,-2894 2082,-3049 1943,-3049 1943,-3139 ; 1943,-3129 1943,-3179 2004,-3179 2011,-3186 2011,-3258 1792,-3258 1792,-3556 2024,-3556 2029,-3561 2029,-3680 1894,-3680 1850.5,-3680 1850.5,-3622 1723,-3622 1723,-3967 1470,-3967 1470,-4160 1978,-4160 1978,-4033 2194,-4033 2194,-4300 2107,-4300 2107,-4386 2260,-4386 2260,-3973 2260,-3901 2164,-3901 2164,-3312 2409,-3312 ; 2426,-5905 2435,-5914
  lines w40: 9,-4788 396,-4788 396,-4067 243,-4067 243,-3914 243,-2570.25 188,-2570.25 188,-2529 188,-1224.75 308,-1224.75 308,-1084 308,-369 453,-369 453,-282 453,-151 1760,-151 1760,-366 2409,-366 2409,-4304 2351,-4304 2351,-4379 2351,-4668 2716.54,-4668

## Silkscreen, mask and mechanical layers (free items; w line width, h text height)
Top Overlay:
  text "24V" at 2301,-863 h40
  text "GND" at 2375,-1578 h40
  text "232_RXD" at 2375,-1648 h40
  text "232_TXD" at 2378,-1716 h40
  text "A" at 2361,-2536 h40
  text "B" at 2367,-2627 h40
  text "DFU" at 138,-2634 h40
  text "CAN_H" at 2237,-2715 h40
  text "CAN_L" at 2238,-2808 h40
  text "GND" at 2294,-2914 h40
  text "3.3V" at 154,-2936 h40
  text "SWCLK" at 146,-2996 h40
  text "VIN" at 2299,-3027 h40
  text "GND" at 144,-3052 h40
  text "SWD" at 142,-3116 h40
  text "ECAT" at 348,-4154 h40
  text "DNET" at 80,-4161 h40
  text "RHR075_rev5" at 72,-4276 h40
  text "24V" at 383,-4949 h40
  text "24V" at 2863,-5331 h40 r270
  text "24V" at 4444.82,-5332 h40 r270
  text "24V" at 3247,-5334 h40 r270
  text "24V" at 3653,-5341 h40 r270
  text "24V" at 4045.71,-5345.07 h40 r270
  text "+" at 2354,-5446 h40
Mechanical 1:
  the board outline again, w5

## Dimensions
1913.92,-236 to 2254.08,-236 on Mechanical 1
2254.08,-236 to 2716.54,0 on Mechanical 1
1713.82,-405.99 to 2716.54,0 on Mechanical 1
509.09,-405.99 to 0,0 on Mechanical 1
196.85,-177.17 to 0,0 on Mechanical 1
196.85,-177.17 to 0,0 on Mechanical 1
196.85,-177.17 to 2519.69,-177.17 on Mechanical 1
196.85,-177.17 to 196.85,-4507.87 on Mechanical 1
4724.41,-5905.51 to 0,-5905.51 on Mechanical 1
4724.41,-4921.26 to 4724.41,-5905.51 on Mechanical 1
2716.54,-4921.26 to 4724.41,-4921.26 on Mechanical 1
0,0 to 2716.54,0 on Mechanical 1
0,-5905.51 to 0,0 on Mechanical 1